# Altium PCB Tigershark 3D R2.PcbDoc (part 2 of 4)
Units mil, origin at the board's own origin, x right, y up, seen from the top; angles counter-clockwise.
Board outline 4100 x 4050 mil, 4 copper layers (Top Layer, Groun Plane, Power Plane, Bottom Layer), stack 61.73 mil thick; 363 components, 231 nets, 1162 pads, 834 vias.
Unrouted connection lines stored in the file: 9.
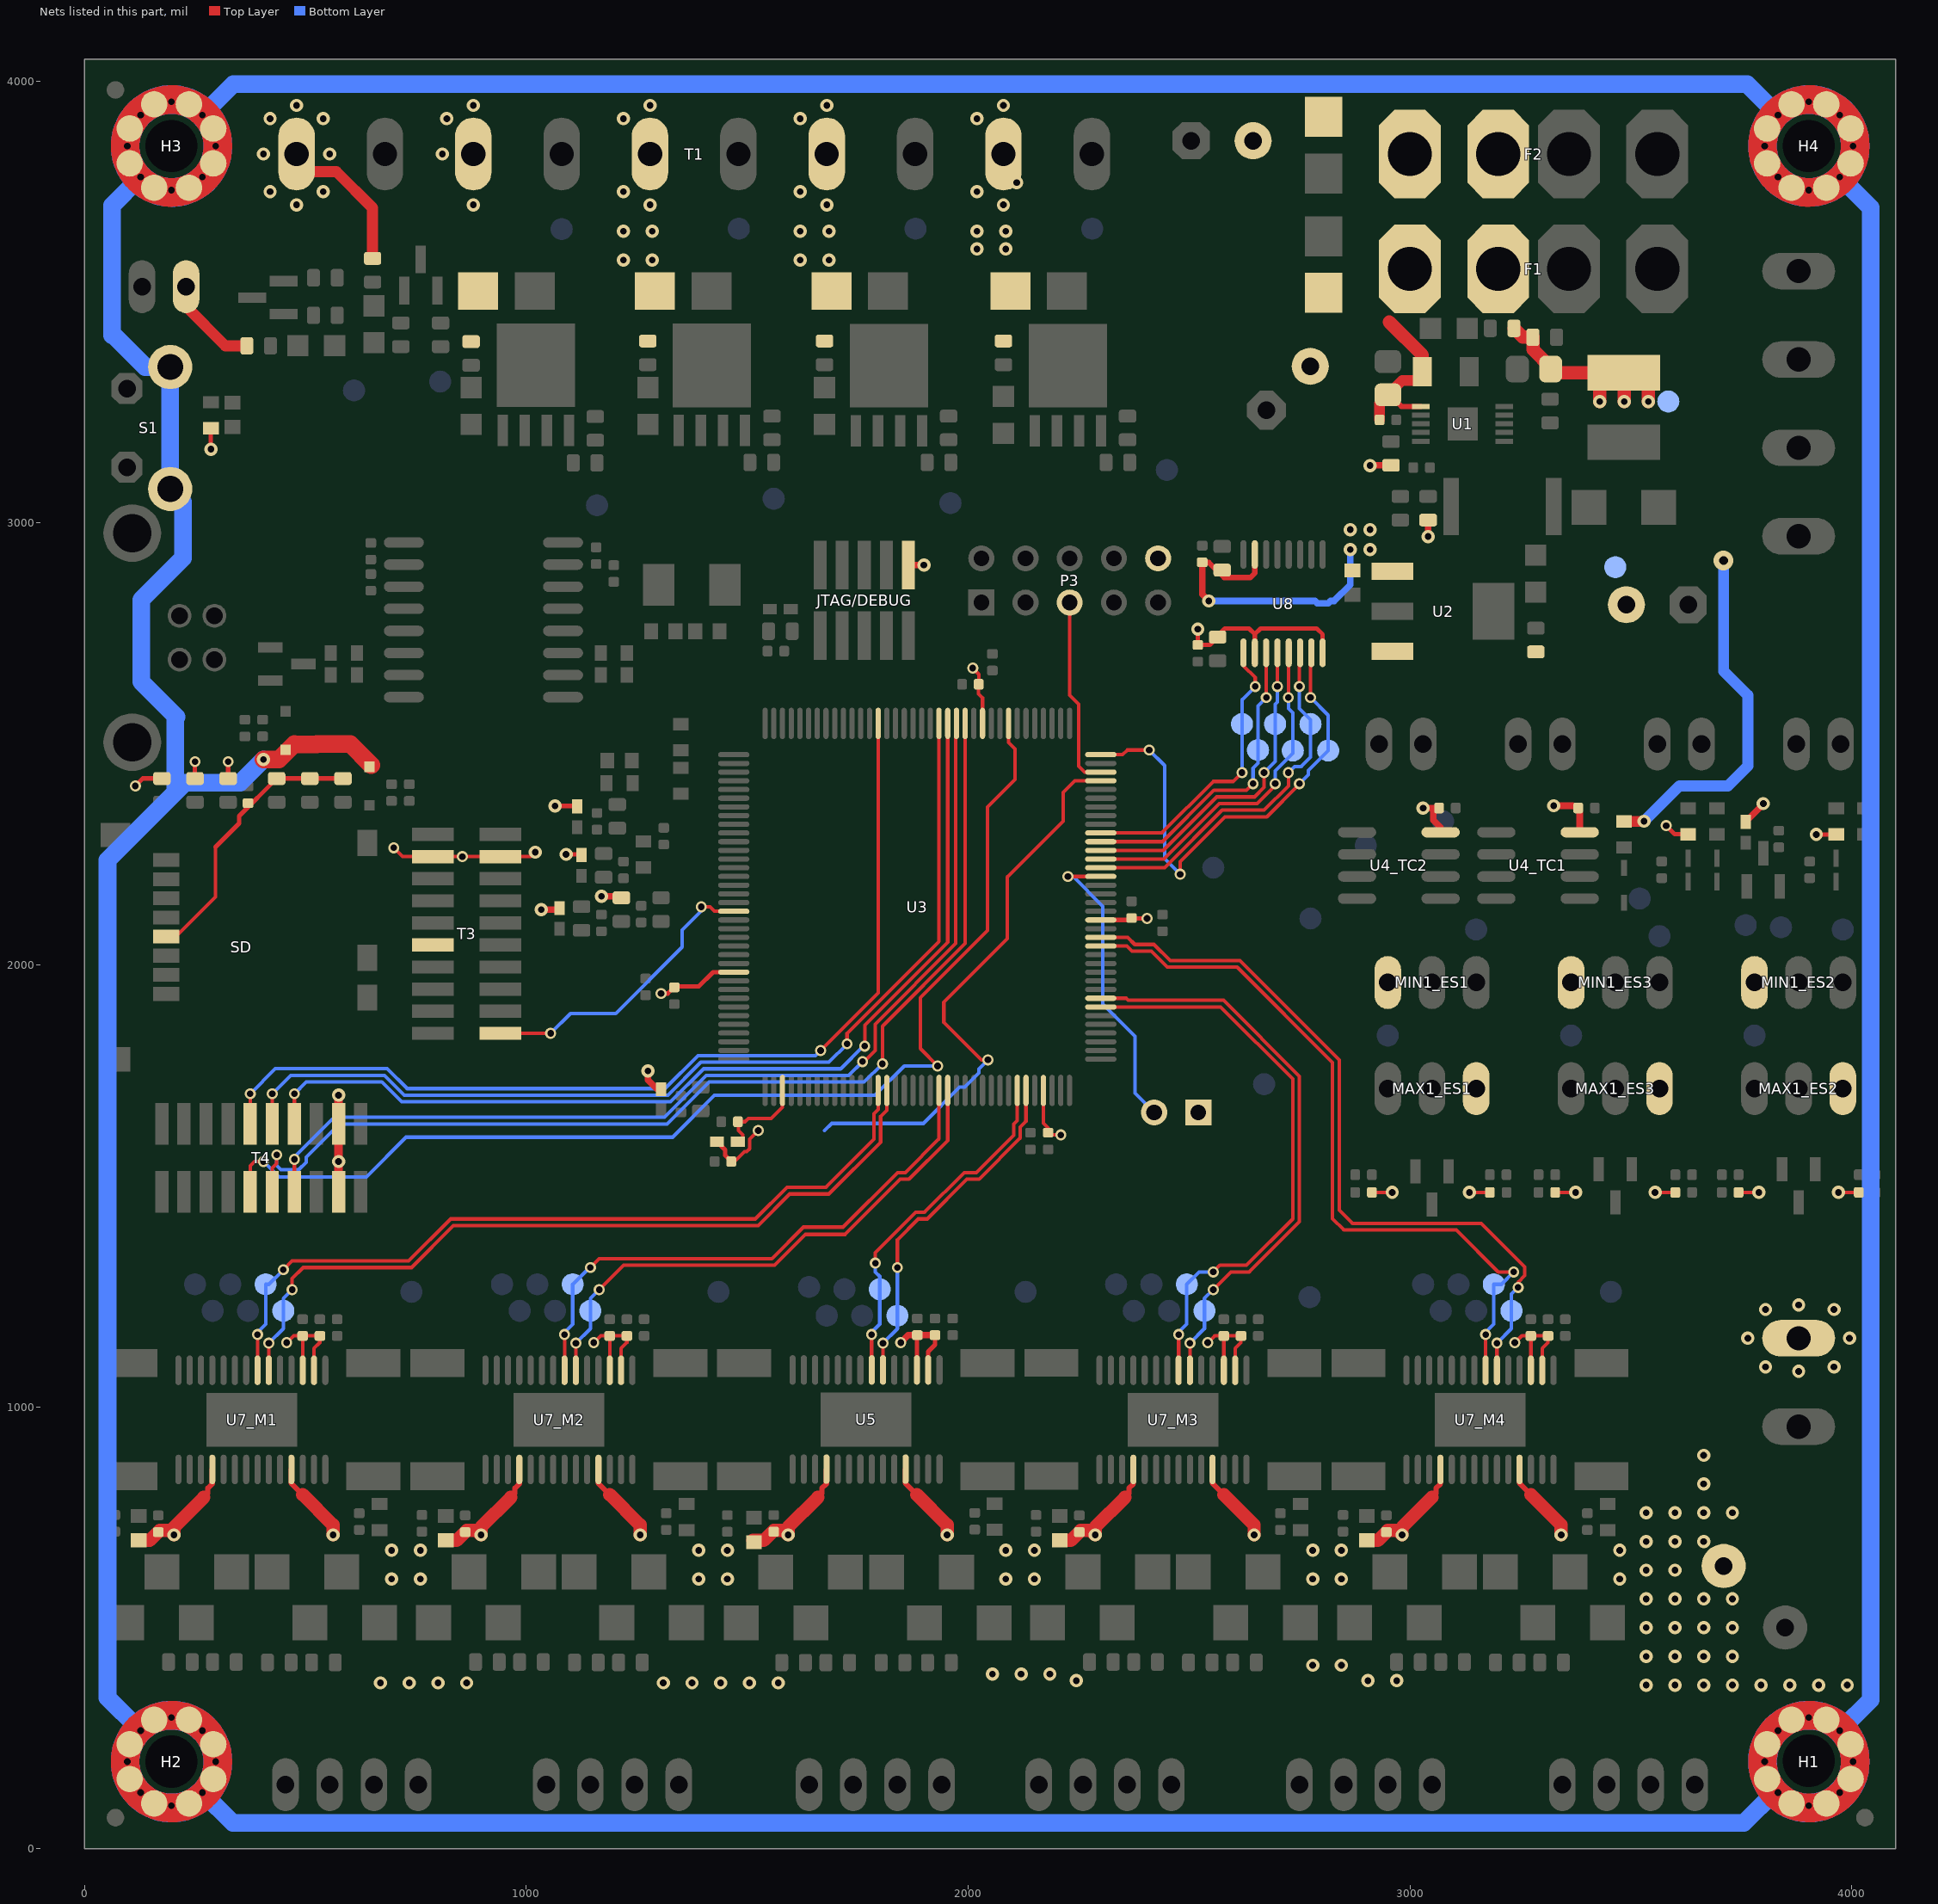
[diagram p4: the nets of this part, all layers, seen from the top]

## Footprints (in the part's own frame and the unit in brackets; to place one, negate y for a bottom-side part, rotate by r counter-clockwise, add the part's x,y. Pads: shape width x height; smd on the part's side, far side on the other; paste and mask are expansions set on the pad) (continued)
LQFP144_N [mm] "Thin QFP, 144-Leads, Body 20x20mm, Pitch 0.5mm, IPC Medium Density"
  oval 1.8x0.3 smd: 1(-10.55,8.75) 2(-10.55,8.25) 3(-10.55,7.75) 4(-10.55,7.25) 5(-10.55,6.75) 6(-10.55,6.25) 7(-10.55,5.75) 8(-10.55,5.25) 9(-10.55,4.75) 10(-10.55,4.25) 11(-10.55,3.75) 12(-10.55,3.25) 13(-10.55,2.75) 14(-10.55,2.25) 15(-10.55,1.75) 16(-10.55,1.25) 17(-10.55,0.75) 18(-10.55,0.25) 19(-10.55,-0.25) 20(-10.55,-0.75) 21(-10.55,-1.25) 22(-10.55,-1.75) 23(-10.55,-2.25) 24(-10.55,-2.75) 25(-10.55,-3.25) 26(-10.55,-3.75) 27(-10.55,-4.25) 28(-10.55,-4.75) 29(-10.55,-5.25) 30(-10.55,-5.75) 31(-10.55,-6.25) 32(-10.55,-6.75) 33(-10.55,-7.25) 34(-10.55,-7.75) 35(-10.55,-8.25) 36(-10.55,-8.75) 73(10.55,-8.75) 74(10.55,-8.25) 75(10.55,-7.75) 76(10.55,-7.25) 77(10.55,-6.75) 78(10.55,-6.25) 79(10.55,-5.75) 80(10.55,-5.25) 81(10.55,-4.75) 82(10.55,-4.25) 83(10.55,-3.75) 84(10.55,-3.25) 85(10.55,-2.75) 86(10.55,-2.25) 87(10.55,-1.75) 88(10.55,-1.25) 89(10.55,-0.75) 90(10.55,-0.25) 91(10.55,0.25) 92(10.55,0.75) 93(10.55,1.25) 94(10.55,1.75) 95(10.55,2.25) 96(10.55,2.75) 97(10.55,3.25) 98(10.55,3.75) 99(10.55,4.25) 100(10.55,4.75) 101(10.55,5.25) 102(10.55,5.75) 103(10.55,6.25) 104(10.55,6.75) 105(10.55,7.25) 106(10.55,7.75) 107(10.55,8.25) 108(10.55,8.75)
  oval 0.3x1.8 smd: 37(-8.75,-10.55) 38(-8.25,-10.55) 39(-7.75,-10.55) 40(-7.25,-10.55) 41(-6.75,-10.55) 42(-6.25,-10.55) 43(-5.75,-10.55) 44(-5.25,-10.55) 45(-4.75,-10.55) 46(-4.25,-10.55) 47(-3.75,-10.55) 48(-3.25,-10.55) 49(-2.75,-10.55) 50(-2.25,-10.55) 51(-1.75,-10.55) 52(-1.25,-10.55) 53(-0.75,-10.55) 54(-0.25,-10.55) 55(0.25,-10.55) 56(0.75,-10.55) 57(1.25,-10.55) 58(1.75,-10.55) 59(2.25,-10.55) 60(2.75,-10.55) 61(3.25,-10.55) 62(3.75,-10.55) 63(4.25,-10.55) 64(4.75,-10.55) 65(5.25,-10.55) 66(5.75,-10.55) 67(6.25,-10.55) 68(6.75,-10.55) 69(7.25,-10.55) 70(7.75,-10.55) 71(8.25,-10.55) 72(8.75,-10.55) 109(8.75,10.55) 110(8.25,10.55) 111(7.75,10.55) 112(7.25,10.55) 113(6.75,10.55) 114(6.25,10.55) 115(5.75,10.55) 116(5.25,10.55) 117(4.75,10.55) 118(4.25,10.55) 119(3.75,10.55) 120(3.25,10.55) 121(2.75,10.55) 122(2.25,10.55) 123(1.75,10.55) 124(1.25,10.55) 125(0.75,10.55) 126(0.25,10.55) 127(-0.25,10.55) 128(-0.75,10.55) 129(-1.25,10.55) 130(-1.75,10.55) 131(-2.25,10.55) 132(-2.75,10.55) 133(-3.25,10.55) 134(-3.75,10.55) 135(-4.25,10.55) 136(-4.75,10.55) 137(-5.25,10.55) 138(-5.75,10.55) 139(-6.25,10.55) 140(-6.75,10.55) 141(-7.25,10.55) 142(-7.75,10.55) 143(-8.25,10.55) 144(-8.75,10.55)
  silkscreen extent -10.67,-9.25 9.25,9.58, body extent -10,-10 10,10, height 1.6
MAXM-S8+4_N [mm] "SOIC, 8-Leads, Body 4.9x3.9mm, Pitch 1.27mm, IPC Medium Density"
  oval 2.2x0.6 smd: 1(-2.4,1.905) 2(-2.4,0.635) 3(-2.4,-0.635) 4(-2.4,-1.905) 5(2.4,-1.905) 6(2.4,-0.635) 7(2.4,0.635) 8(2.4,1.905)
  silkscreen extent -2.53,-2.5 0.9,2.88, body extent -2,-2.5 2,2.5, height 1.75
"MSTBV2 - duplicate" [mil]
  oval 82.5x165 hole 55: 1(-300,0) 2(-100,0)
  silkscreen extent -425,-150 25,180, body extent -425,-150 25,180, height 472
MSTBV4 [mil]
  oval 82.5x165 hole 55: 1(-300,0) 2(-100,0) 3(100,0) 4(300,0)
  silkscreen extent -425,-150 425,180, body extent -428,-153 428,183, height 472
MSTBV10 [mil]
  oval 82.5x165 hole 55: 1(-900,0) 2(-700,0) 3(-500,0) 4(-300,0) 5(-100,0) 6(100,0) 7(300,0) 8(500,0) 9(700,0) 10(900,0)
  silkscreen extent -1025,-150 1025,180, body extent -1028,-153 1025,183, height 472
OSHW_8X150_NOTEXT [mil]
  silkscreen extent 0,0 167,150, body extent 0,2 168,148
PN61729 [mil]
  round 54 hole 38: 1(50,186) 2(-49.21,186) 3(-49.21,107) 4(50,107)
  round 130.5 hole 87: 5(-236.22,0) 6(237,0)
  body extent -237,-405 238,226, height 406
PSMN7R0-60YS [mm] "TO, 5-Pads, Body 5.15x5.86mm (max), IPC Medium Density"
  rect 1.8x0.6 smd: 1(-2.6,1.905) 2(-2.6,0.635) 3(-2.6,-0.635) 4(-2.6,-1.905)
  rect 4.8x4.5 smd: 5(1.14,0)
  silkscreen extent -2.72,2.63 -2.48,2.88, body extent -1.85,-2.5 2.25,2.5, height 1.2
R0402 [mil]
  rrect40% 22x24 smd: 1(-18.9,0) 2(19,0)
  body extent -20,-10 20,10, height 14
R0603 [mm]
  rrect40% 0.74x1 smd: 1(-0.68,0) 2(0.68,0)
  body extent -0.8,-0.4 0.8,0.4, height 0.8
Resistor2512 [mm]
  rect 1.6x3.1 smd: 1(-3.25,0) 2(3.25,0)
  silkscreen extent -2.26,-1.3 2.26,1.3, body extent -3.24,-1.4 3.24,1.4, height 0.9
SK310A-TP [mm] "Molded Diode, 2-Leads, Body 4.31x2.69mm, IPC Medium Density"
  rect 2.3x2.15 smd: 1(-1.625,0) 2(1.625,0)
  silkscreen extent -2.3,-1.45 3.07,1.75, body extent -2.29,-1.42 2.28,1.42, height 2.95
SMA-SM [mil]
  rect 79x79 smd: A(79,0) C(-78.74,0)
  silkscreen extent -89,-49 89,50, body extent -105,-54 105,55, height 116
SOD323-R [mil]
  rect 24x24 smd: A(44,0) C(-43.31,0)
  body extent -50,-31 50,31, height 28
SOT95P230X110-3N [mm] "SOT23, 3-Leads, Body 2.90x2.30mm, Pitch 0.95mm, IPC Medium Density"
  rect 1.4x0.6 smd: 1(-0.95,0.95) 2(-0.95,-0.95) 3(0.95,0)
  silkscreen extent -1.07,-1.5 0.7,1.93, body extent -0.7,-1.5 0.7,1.5, height 1.1
SOT230P700X190-4N [mm] "SOT223, 4-Leads, Body 6.50x7.00mm (avg), Pitch 2.30mm, IPC Medium Density"
  rect 2.4x1 smd: 1(-2.9,2.3) 2(-2.9,0) 3(-2.9,-2.3)
  rect 2.4x3.25 smd: 4(2.9,0)
  silkscreen extent -3.02,-3.35 1.4,3.47, body extent -1.85,-3.35 1.85,3.35, height 1.9
SZMM3Z4V7T1G [mm] "Molded Diode, 2-Leads, Body 1.70x1.25mm, IPC Medium Density"
  rect 0.9x0.35 smd: 1(-1,0) 2(1,0)
  silkscreen extent -0.95,-0.7 1.4,0.7, body extent -0.9,-0.67 0.9,0.67, height 1
TP-2#1 [mil]
  round 50 smd far side: 1(0,0)
TP-2#2 [mil]
  round 50 smd: 1(0,0)
TSOP65P640X120-16N [mm] "TSOP, 16-Leads, Body 5.00x4.40mm, Pitch 0.65mm, IPC Medium Density"
  oval 1.65x0.35 smd: 1(-2.825,2.275) 2(-2.825,1.625) 3(-2.825,0.975) 4(-2.825,0.325) 5(-2.825,-0.325) 6(-2.825,-0.975) 7(-2.825,-1.625) 8(-2.825,-2.275) 9(2.825,-2.275) 10(2.825,-1.625) 11(2.825,-0.975) 12(2.825,-0.325) 13(2.825,0.325) 14(2.825,0.975) 15(2.825,1.625) 16(2.825,2.275)
  silkscreen extent -2.95,-2.55 1.6,3.12, body extent -2.25,-2.55 2.25,2.55, height 1.2
VSSOP10 [mm] "TSSOP, 10-Leads, Body 3.15x3.00mm, Pitch 0.50mm, Thermal Pad 2.05.2x1.50.2mm, IPC High Density"
  rect 1.02x0.3 smd mask+0.102: 1(-2.4,1) 2(-2.4,0.5) 3(-2.4,0) 4(-2.4,-0.5) 5(-2.4,-1) 6(2.4,-1) 7(2.4,-0.5) 8(2.4,0) 9(2.4,0.5) 10(2.4,1)
  rect 1.73x1.9 smd: 11(0,0)
  silkscreen extent -2.02,-1.7 0.65,1.82, body extent -1.55,-1.7 1.55,1.7, height 1.09
Wave_hole_3x7-singleSided#1 [mil]
  round 0 hole 118.11 unplated paste+0 mask-112: 0(0,1.85)
  round 0 hole 15 paste-20 mask-20: 1(-100,0) 1(-70,-70) 1(-70,70) 1(0,-100) 1(0,100) 1(70,-70) 1(70,70) 1(100,0)
  round 60 smd paste-5 mask+0: 1(-94.49,-39.37) 1(-94.49,39.37) 1(-39.37,-94.49) 1(-39.37,94.49) 1(39.37,-94.49) 1(39.37,94.49) 1(94.49,-39.37) 1(94.49,39.37)
  Top Layer circle w64.96: c0,0 r105
  Bottom Layer lines w64.96: -78.26,-70 ccw(c0,0) 105,0 ccw(c0,0) 74.25,74.25 ccw(c0,0) -78.26,-70
  body extent -105,-105 105,105
Wave_hole_3x7-singleSided#2 [mil]
  round 0 hole 118.11 unplated paste+0 mask-112: 0(0,0)
  round 0 hole 15 paste-20 mask-20: 1(-100,0) 1(-70,-70) 1(-70,70) 1(0,-100) 1(0,100) 1(70,-70) 1(70,70) 1(100,0)
  round 60 smd paste-5 mask+0: 1(-94.49,-39.37) 1(-94.49,39.37) 1(-39.37,-94.49) 1(-39.37,94.49) 1(39.37,-94.49) 1(39.37,94.49) 1(94.49,-39.37) 1(94.49,39.37)
  Top Layer circle w64.96: c0,0 r105
  Bottom Layer lines w64.96: -74.25,74.25 ccw(c0,0) 74.25,-74.25 ccw(c0,0) 105,0 ccw(c0,0) -74.25,74.25
  body extent -105,-105 105,105
XAL50xx-153 [mm] "Precision Wire Wound Inductor, 2-Leads, Body 5.28x5.48mm, IPC High Density"
  rect 2.05x4.2 smd: 1(-2,0) 2(2,0)
  silkscreen extent -2.75,-2.85 2.75,2.85, body extent -2.74,-2.84 2.74,2.84, height 4.25

## Part data
C1_ES1 C1_ES2 C1_ES3 C2_ES1 C2_ES2 C2_ES3 C24 C29 C34 C50 C71_M1 C71_M2 C71_M3 C71_M4: library part GRM155R60J474KE19D, "0.47uF 6.3v C0402 - GRM155R60J474KE19D"
C3_M1 C3_M2 C3_M3 C3_M4 C5_M1 C5_M2 C5_M3 C5_M4 C6_M1 C6_M2 C6_M3 C6_M4 C8_M1 C8_M2 C8_M3 C8_M4 C52 C62 C67 C72: library part CC0603ZRY5V6BB105, "CAP CER 0603 1uF 10V Y5V"
C4 C35 C43 C44 C66_M1 C66_M2 C66_M3 C66_M4 C73: library part "Cap Semi", "Capacitor (Semiconductor SIM Model)"
C7: library part UPW1H471MHD1TO, "CAP ALU 470uF 50V 20%"
C9: library part C1206C475K5PACTU, "CAP CER 1206 4.7uF 50V 10% X5R"
C10: library part GRM21BR71H105KA12L, "CAP CER 0805 1uF 50V 10% X7R"
C11 C40: library part C0603C104K5RACTU, "CAP CER 0603 100nF 50V 10% X7R"
C12_M1 C12_M2 C12_M3 C12_M4 C14_M1 C14_M2 C14_M3 C14_M4 C19 C23 C27 C31_TC1 C31_TC2 C33 C37 C38 C39 C41 C42 C45 C46 C47 C48 C51 C53 C54 C56 C57 C58 C59 C61 C69 C70 C75_M1 C75_M2 C75_M3 C75_M4: library part "100nF C0402 - GRM155R71C104KA88D", "Capacitor (Semiconductor SIM Model)"
C13 C17 C25 C28 C32 C36 C55 C60: library part C1608JB0J106K080AB, "CAP CER 10UF 6.3V 10% JB 0603"
C15 C16 C18: library part UVZ1H101MPD1TD, "CAP ALU 100uF 50V 20% 105C"
C20 C26 C30_TR1 C30_TR2 C64 C65: library part GRM155R71C104KA88D, "CAP CER 0.1UF (100nF) 16V 10% X7R 0402"
C21: library part C0805C106K8PACTU, "CAP CER 0805 10uF 10V 10% X5R"
C22: library part GRM155R60J105KE19D, "CAP CER 0402 1uF 6.3V 10% X5R"
C49 C68_M1 C68_M2 C68_M3 C68_M4: library part GRM155R71H103JA88D, "CAP CER 10000PF 50V X7R 0402"
C63: "Capacitor (Semiconductor SIM Model)"
D1: library part "D Zener", "Zener Diode"
D2: library part SK310A, "DIODE Schottky 3A SMA"
D3_TR1 D3_TR2 D5_TR1 D5_TR2: "High Conductance Fast Diode"
D4 D6 D12 D15 D17 D19: library part "D Schottky", "Schottky Diode"
D7 D9: "LED 0805 Red"
D8 D24: "DIODE TVS"
D10 D11 D13 D14 D16 D18: "LED 0805 Yellow"
D20_M1 D20_M2 D20_M3 D20_M4 D21_M1 D21_M2 D21_M3 D21_M4 D22_M1 D22_M2 D22_M3 D22_M4 D23_M1 D23_M2 D23_M3 D23_M4 D25 D26 D27 D28: "DIODE TVS 30V SMA"
DA1 DA2 DA3 DA4 DA5: "PESDxL2BT TVS Diode Array 2x"
F1 F2: library part "Fuse 1", "Fuse"
"Heat Power": library part con-phoenix-508_4
JTAG/DEBUG: library part "ARM Cortex JTAG-DEBUG Header"
L1: "IND 15uH 3.9A 20%"
M1_M1 M1_M2 M1_M3 M1_M4 M2 M3: library part "Molex 0705430003 Alt", "Molex 4 Pin Clip Connector"
MAX1_ES1 MAX1_ES2 MAX1_ES3 MIN1_ES1 MIN1_ES2 MIN1_ES3: library part "Molex Endstop"
"Motor Power": library part con-phoenix-508_2
P1: library part "Header 2", "Header, 2-Pin"
P3: "Header, 5-Pin, Dual row"
Q2 Q3 Q4 Q5 Q6 Q7: "N-Channel MOSFET"
R1 R14_TR1 R14_TR2 R19_TR1 R19_TR2 R21: "Resistor"
R2_ES1 R2_ES2 R2_ES3 R3_ES1 R3_ES2 R3_ES3: library part ERJ-2GEJ272X, "RES SMD 2.7K OHM 5% 1/10W 0402"
R4 R5 R15 R16 R18 R20 R22 R23 R31_M1 R31_M2 R31_M3 R31_M4 R32_M1 R32_M2 R32_M3 R32_M4 R33_M1 R33_M2 R33_M3 R33_M4 R37 R38 R39: library part Res3, "Resistor"
R6 R46 R55 R59 R63 R67 R71: library part RC0603FR-07100KL, "RES 100K OHM 1/10W 1% 0603 SMD"
R7 R10 R12: library part ERJ-3EKF1002V, "RES 0603 10K 100mW 1%"
R8 R11 R25 R26 R27 R28 R29 R34: library part ERJ-3EKF1001V, "RES 0603 1K 100mW 1%"
R9: library part RL2512FK-070R06L, "RES 0.06 OHM 1W 1% 2512 SMD"
R13 R47 R56 R60 R64 R68: library part RC0603JR-071K8L, "RES 0603 1.8K 100mW 5%"
R17: library part CRCW0402200KFKED, "RES 0402 22r 63mW 1%"
R24 R30_M1 R30_M2 R30_M3 R30_M4 R35 R36: library part ERJ2GEJ105X, "RES 0402 1M 100mW 5%"
R45 R52 R58 R62 R66 R70: library part CRCW060310R0FKEA, "RES 0603 10r 100mW 1%"
S1: library part 1571610-2_1, "SWTCH Momentary Washable"
SD: "microSD 502570-0893 Molex Part"
T1: library part "0395311010 - Molex 10 Position Connector", "MSBTV10 10 port connector same as RAMBo"
T3 T4: "HDR 20pos Vert Dual Row SMT"
TP1 TP2 TP3 TP4 TP5 TP6 TP7 TP8 TP9_ES1 TP9_ES2 TP9_ES3 TP10_ES1 TP10_ES2 TP10_ES3 TP11 TP12 TP13 TP14 TP15 TP16 TP17 TP18 TP19 TP20 TP21 TP32_M1 TP32_M2 TP32_M3 TP32_M4 TP33_M1 TP33_M2 TP33_M3 TP33_M4 TP35_M1 TP35_M2 TP35_M3 TP35_M4 TP36_M1 TP36_M2 TP36_M3 TP36_M4 TP37_M1 TP37_M2 TP37_M3 TP37_M4 TP38 TP39_M1 TP39_M2 TP39_M3 TP39_M4 TP40_M1 TP40_M2 TP40_M3 TP40_M4 TP41 TP42 TP43 TP44 TP45 TP46 TP47 TP48 TP49 TP50 TP51 TP52_TR1 TP52_TR2: library part Socket, "Socket"
U1: library part LM25011, "REG BUCK"
U4_TC1 U4_TC2: "Cold Junction Compensated Thermocouple to Digital Converter, 14 Bits Temperature Resolution, -40 to 125 degC, 8-Pin SOIC (S8+4), Pb-Free"
U5 U7_M1 U7_M2 U7_M3 U7_M4: "DRV8825 Ti Stepper Driver"
U6: "USB Opto Isolator"
U8: library part TXB0106, "TXB0106 - Bidriectional Opendrain/pushpull level shift"
X2: library part XTAL, "Crystal Oscillator"

## Via types
v1: diameter 30, hole 15, Top Layer to Bottom Layer, tented both sides, 496 vias
v2: diameter 25, hole 15, Top Layer to Bottom Layer, tented both sides, 175 vias
v3: diameter 25, hole 15, Top Layer to Bottom Layer, 76 vias
v4: diameter 19.68, hole 7.87, Top Layer to Bottom Layer, 75 vias
v5: diameter 30, hole 15, Top Layer to Bottom Layer, 9 vias
v6: diameter 45, hole 20, Top Layer to Bottom Layer, tented both sides, 3 vias

## Nets (pads, with @x,y where several pads share a name; then routed paths per layer and width w, separated by ;. In a path a pad name is that pad's centre, name@x,y a point inside that pad or via, vN(x,y) a via of type N, cw(c..) or ccw(c..) an arc to the next point about the centre after c; other vN are vias at no path point)
3.3VCC: C12_M1.2 C12_M2.2 C12_M3.2 C12_M4.2 C14_M1.2 C14_M2.2 C14_M3.2 C14_M4.2 C18.1 C25.2 C26.2 C29.2 C31_TC1.2 C31_TC2.2 C45.2 C46.2 C47.2 C48.2 C64.2 C69.2 C70.2 FB1.2 FB5.1 FB6.1 FB7.1 FB8.1 FB9.1 JTAG/DEBUG.1 MAX1_ES1.3 MAX1_ES2.3 MAX1_ES3.3 MIN1_ES1.3 MIN1_ES2.3 MIN1_ES3.3 P1.1 P3.10 R2_ES1.2 R2_ES2.2 R2_ES3.2 R3_ES1.2 R3_ES2.2 R3_ES3.2 R6.2 R11.2 R19_TR1.2 R19_TR2.2 R21.2 R25.2 R26.2 R27.2 R28.2 R29.2 R34.2 SD.4 T3.17 T3.18 T4.17 T4.18 TP3.1 U2.3 U3.11 U3.62 U3.105 U3.125 U4_TC1.4 U4_TC2.4 U5.16 U5.17 U7_M1.16 U7_M1.17 U7_M2.16 U7_M2.17 U7_M3.16 U7_M3.17 U7_M4.16 U7_M4.17 U8.2 U8.8 | length 4640.3
  Top Layer w8: SD.4@185,2063.94 206.51,2063.94 296.5,2153.93 296.5,2266.5 ; v3(457.48,1145) 473.48,1161 C12_M1.2@492.48,1161 ; U7_M1.17@493.9,1083.46 493.9,1159.58 C12_M1.2@492.48,1161 ; U7_M1.16@517.48,1085.47 519.49,1083.46 519.49,1132.01 532.48,1145 C14_M1.2@532.48,1160 ; C14_M1.2@532.48,1161 C12_M1.2@492.48,1161 ; v2(700,2265) 720,2245 T3.18@788.23,2245 v2(855,2245) T3.17@941.77,2245 1010,2245 v1(1020,2255) ; v3(1152.48,1145) 1168.48,1161 C12_M2.2@1187.48,1161 ; U7_M2.17@1188.9,1083.46 1188.9,1159.58 C12_M2.2@1187.48,1161 ; R6.2@1211.77,2155 R6.2@1215,2151.77 ; U7_M2.16@1212.48,1085.47 1214.49,1083.46 1214.49,1132.01 1227.48,1145 C14_M2.2@1227.48,1160 ; C14_M2.2@1227.48,1161 C12_M2.2@1187.48,1161 ; C64.2@1464,1555 1471.8,1555 1493.99,1577.19 1498.93,1577.19 1505.37,1583.63 1505.37,1605.37 v2(1525,1625) ; JTAG/DEBUG.1@1865,2904.92 JTAG/DEBUG.1@1865.08,2905 ; v2(2010.47,2671.46) 2024.47,2657.46 2024.47,2627.54 2023.56,2626.63 2023.56,2613.37 2032.64,2604.29 U3.11@2032.64,2546.46 ; U3.105@2170.43,1715.75 2170.43,1641.77 2181.1,1631.1 C45.2@2181.1,1620.1 2186.2,1615 v2(2210,1615) ; v3(2542.48,1145) 2558.48,1161 C12_M3.2@2577.48,1161 ; U7_M3.17@2578.9,1083.46 2578.9,1159.58 C12_M3.2@2577.48,1161 ; U7_M3.16@2602.48,1085.47 2604.49,1083.46 2604.49,1132.01 2617.48,1145 C14_M3.2@2617.48,1160 ; C14_M3.2@2617.48,1161 C12_M3.2@2577.48,1161 ; R3_ES1.2@2914,1485 v1(2960,1485) ; v1(3135,1485) R2_ES1.2@3181,1485 ; v3(3237.48,1145) 3253.48,1161 C12_M4.2@3272.48,1161 ; U7_M4.17@3273.9,1083.46 3273.9,1159.58 C12_M4.2@3272.48,1161 ; U7_M4.16@3297.48,1085.47 3299.49,1083.46 3299.49,1132.01 3312.48,1145 C14_M4.2@3312.48,1160 ; C14_M4.2@3312.48,1161 C12_M4.2@3272.48,1161 ; R3_ES3.2@3329,1485 v1(3375,1485) ; v1(3555,1485) R2_ES3.2@3601,1485 ; R3_ES2.2@3744,1485 v1(3790,1485) ; v1(3970,1485) R2_ES2.2@4016,1485
  Top Layer w10: v2(115,2405) 131.77,2421.77 R25.2@175,2421.77 ; R26.2@250,2421.77 v2(250,2460) ; v1(286,3167) R21.2@286,3214.47 ; 296.5,2266.5 350,2320 350,2336.78 R28.2@435,2421.77 R29.2@510,2421.77 R34.2@585,2421.77 ; R27.2@325,2421.77 v2(325,2460) ; v1(1065,2359.72) FB8.1@1105,2359.72 ; v1@1090,2244.72 v1(1090,2250) 1123.62,2250 FB7.1@1125,2248.62 ; v2(1305,1935) 1320,1935 1336.1,1951.1 1390.14,1951.1 1422.51,1983.46 U3.62@1469.65,1983.46 ; FB9.1@1431.38,1600 1450,1581.38 1450,1569 C64.2@1464,1555 ; U5.17@1884.16,1083.2 C69.2@1884.16,1161.16 ; U5.16@1909.75,1083.2 1909.75,1124.75 1925,1140 C70.2@1925,1162 ; U3.125@2300.35,2101.57 C46.2@2365.57,2101.57 ; C46.2@2371,2105 v2(2405,2105) ; v1(2520,2760) C26.2@2520,2724 2547.23,2724 C25.2@2565,2741.77 ; C25.2@2560,2740 2581.44,2761.44 2636,2761.44 2649.02,2748.42 ; U8.2@2649.02,2706.22 2649.02,2748.42 ; U8.8@2802.57,2706.22 2802.57,2747.87 2789,2761.44 2662.05,2761.44 2649.02,2748.42 ; 3367.95,2360 C31_TC1.2@3384.49,2343.46 ; v2(3580,2315) 3599.53,2295.47 R19_TR2.2@3630,2295.47 ; v1(3920,2295) 3964.53,2295 R19_TR1.2@3965,2295.47
  Top Layer w15: v1(1034,2124.72) FB5.1@1075,2124.72 ; v1(1170,2155) R6.2@1211.77,2155 ; v1(1275,1760) 1275,1739.72 FB6.1@1295,1719.72 ; v3(1847.51,1144.97) 1864.54,1162 C69.2@1885,1162 C70.2@1925,1162 ; JTAG/DEBUG.1@1865.08,2905 v1(1900,2905) ; C46.2@2370,2106 C46.2@2371,2105 ; v1@3025,2360 3025,2355 3052.95,2355 ; C31_TC2.2@3056,2355 3052.95,2355 ; U4_TC2.4@3069.49,2300 3069.49,2311.02 3052.95,2327.56 3052.95,2355 ; v1(3325.51,2360) 3367.95,2360 ; U4_TC1.4@3384.49,2300 C31_TC1.2@3384.49,2343.46 ; FB1.2@3760,2323.62 3800,2363.62 v1(3800,2365)
  Top Layer w20: T4.17@575,1486.46 v1(575,1555) T4.18@575,1640 v1(575,1705)
  other v1: 3030,2355
+5VCC: C4.2 C11.1 C17.2 C20.2 C21.1 L1.2 R7.2 R8.2 R10.1 TP1.1 U2.1 U8.15 | length 1265.4
  Top Layer w12: C20.2@2530,2911 2544.88,2911 2579.44,2876.44 2639,2876.44 2649.02,2886.46 U8.15@2649.02,2928.66
  Top Layer w15: C20.2@2530,2911 2530,2838.44 v1(2545,2823.44) ; v1@2909.31,3130.43 2957.09,3130.43 R7.2@2957.32,3130.65 ; v1(3041.31,2969.43) R10.1@3041.31,3006.66
  Top Layer w30: R8.2@3235.54,3440.43 3255.54,3420.43 C11.1@3278.54,3420.43 3278.54,3392.69 3318.72,3352.52 C21.1@3318.72,3348.43 ; C21.1@3326.98,3340.17 L1.2@3484.31,3340.17 ; v1(3430,3275) L1.2@3430,3335.17 ; v1(3485,3275) L1.2@3485,3339.48 ; v1(3540,3275) L1.2@3540,3340
  Bottom Layer w15: v1(2545,2823.44) 2785.28,2823.44 2790.78,2817.94 2815.22,2817.94 2820.72,2823.44 2828.44,2823.44 2865,2860 v1(2865,2940)
  other v1: 2910,2940 2865,2985 2910,2985 2910,3130
+12VCC1: "Motor Power.1" C7.1 C35.1 C66_M1.1 C66_M2.1 C66_M3.1 C66_M4.1 R30_M1.2 R30_M2.2 R30_M3.2 R30_M4.2 R36.2 U5.4 U5.11 U7_M1.4 U7_M1.11 U7_M2.4 U7_M2.11 U7_M3.4 U7_M3.11 U7_M4.4 U7_M4.11 | length 2331.6
  Top Layer w12: 270,795 279,804 279,815.51 289.17,825.68 U7_M1.4@289.17,858.06 U7_M1.4@289.17,859.06 ; U7_M1.11@468.31,859.06 468.31,826.69 493.74,801.26 ; 965,795 974,804 974,815.51 984.17,825.68 U7_M2.4@984.17,858.06 U7_M2.4@984.17,859.06 ; U7_M2.11@1163.31,859.06 1163.31,826.69 1188.74,801.26 ; 1660.03,794.97 1669.03,803.97 1669.03,815.48 1679.2,825.65 U5.4@1679.2,858.02 ; U5.11@1858.34,859.02 1858.34,826.66 1883.77,801.23 ; 2355,795 2364,804 2364,815.51 2374.17,825.68 U7_M3.4@2374.17,858.06 U7_M3.4@2374.17,859.06 ; U7_M3.11@2553.31,859.06 2553.31,826.69 2578.74,801.26 ; 3050,795 3059,804 3059,815.51 3069.17,825.68 U7_M4.4@3069.17,858.06 U7_M4.4@3069.17,859.06 ; U7_M4.11@3248.31,859.06 3248.31,826.69 3273.74,801.26
  Top Layer w30: C66_M1.1@122.48,697.44 147.44,697.44 170,720 192.48,720 v1(202.48,710) 202.48,727.48 270,795 ; 493.74,801.26 562.48,732.52 v1(562.48,710) ; C66_M2.1@817.48,697.44 842.44,697.44 865,720 887.48,720 v1(897.48,710) 897.48,727.48 965,795 ; 1188.74,801.26 1257.48,732.52 v1(1257.48,710) ; C35.1@1512.51,697.41 1537.47,697.41 1560.03,719.97 1582.51,719.97 v1(1592.51,709.97) 1592.51,727.45 1660.03,794.97 ; 1883.77,801.23 1952.51,732.49 v1(1952.51,709.97) ; C66_M3.1@2207.48,697.44 2232.44,697.44 2255,720 2277.48,720 v1(2287.48,710) 2287.48,727.48 2355,795 ; 2578.74,801.26 2647.48,732.52 v1(2647.48,710) ; C66_M4.1@2902.48,697.44 2927.44,697.44 2950,720 2972.48,720 v1(2982.48,710) 2982.48,727.48 3050,795 ; 3273.74,801.26 3342.48,732.52 v1(3342.48,710)
  other v1: 3535,370 3600,370 3665,370 3730,370 3795,370 3860,370 3925,370 3990,370 670,375 735,375 800,375 865,375 1310,375 1375,375 1440,375 1505,375 1570,375 2245,380 2905,380 2970,380 2055,395 2120,395 2185,395 2780,415 2845,415 3535,435 3600,435 3665,435 3730,435 3535,500 3600,500 3665,500 3730,500 3535,565 3600,565 3665,565 3730,565 695,610 760,610 1390,610 1455,610 2085.03,609.97 2150.03,609.97 2780,610 2845,610 3475,610 3535,630 3600,630 695,675 760,675 1390,675 1455,675 2085.03,674.97 2150.03,674.97 2780,675 2845,675 3475,675 3535,695 3600,695 3665,695 3535,760 3600,760 3665,760 3730,760 3665,825 3665,890 3880,1080 3805,1090 3960,1090 3765,1155 3995,1155 3805,1220 3960,1220 3880,1230
+12VCC2: C9.1 C10.1 C16.1 D6.2 D12.2 D15.2 D17.2 F1.2 FAN-1.1 R1.2 R13.2 R17.2 R47.2 R56.2 R60.2 R64.2 T1.1 T1.3 T1.5 T1.7 U1.1 | length 1704.5
  Top Layer w12: C10.1@2971.68,3272.95 2980.83,3263.8 U1.1@3024.83,3263.8
  Top Layer w24: R17.2@2931.31,3233.43 C10.1@2931.31,3271.02 ; C10.1@2950.31,3290.02 2982.72,3322.43 C9.1@3008.15,3322.43
  Top Layer w25: FAN-1.1@230,3535 230,3490 319,3401 R13.2@367.23,3401 ; T1.1@480,3810 495,3795 570,3795 652,3713 R47.2@652,3598.77 ; R1.2@3485,2324.53 3529.53,2324.53 v1(3530,2325)
  Top Layer w30: 2953.21,3454.87 3028.17,3379.91 C9.1@3028.17,3342.43
  Bottom Layer w25: F1.2@3200,3545 F1.2@3200,3575 ; v1(3530,2325) 3610,2405 3720,2405 3765,2450 3765,2610 3710,2665 v6(3710,2915)
  other v1: 1220,3595 1285,3595 1620,3595 1685,3595 1220,3660 1285,3660 1620,3660 1685,3660 480,3720 880,3720 1280,3720 1680,3720 420,3750 540,3750 1220,3750 1620,3750 405,3835 555,3835 810,3835 420,3915 540,3915 820,3915 1220,3915 1620,3915 480,3945 880,3945 1280,3945 1680,3945
+12VCC3: C15.1 D4.2 D19.2 F2.2 R68.2 T1.9
  other v1: 2020,3620 2085,3620 2020,3660 2085,3660 2080,3720 2020,3750 2110,3770 2020,3915 2080,3945
AN_EXP0: T4.13 U3.14 | length 2311.5
  Top Layer w8: T4.13@475,1486.46 v2(475,1560) ; v2(1761.1,1781.1) 1764.34,1781.1 1789.6,1806.37 1789.6,1865.82 1972.1,2048.32 1972.1,2544.98 U3.14@1973.58,2546.46
  Bottom Layer w8: v2@470,1560 560,1650 577.57,1650 582.57,1655 1312.72,1655 1407.43,1749.71 1729.71,1749.71 v2(1761.1,1781.1)
AN_EXP1: T4.14 U3.15 | length 2249.4
  Top Layer w8: T4.14@475,1640 v2(475,1708.23) ; v2(1766.1,1816.1) 1766.1,1863.53 1953.9,2051.32 U3.15@1953.9,2546.46
  Bottom Layer w8: v2(475,1708.23) 501.77,1735 672.72,1735 717.72,1690 1326.51,1690 1401.22,1764.71 1711.48,1764.71 1762.87,1816.1 v2(1766.1,1816.1)
AVREF: C65.2 FB9.2 U3.75 | length 189
  Top Layer w8: C65.2@1479,1645 1495,1645 1502.31,1652.31 1554.56,1652.31 1579.88,1677.64 U3.75@1579.88,1715.75 ; C65.2@1480,1636 1480,1625 1490,1615 FB9.2@1490,1603.62
BED_PWM: TP38.1 U3.144 U8.7 | length 1137.1
  Top Layer w8: U3.144@2300.35,2475.59 2349.49,2475.59 2360,2486.1 v2(2410,2486.1) ; v2(2480,2205) 2480,2233.79 2581.21,2335 2676.21,2335 2750,2408.79 v2(2750,2410) ; v2(2775,2605) 2775,2704.24 U8.7@2776.98,2706.22
  Bottom Layer w8: v2(2410,2486.1) 2445,2451.1 2445,2240 v2(2480,2205) ; v2(2750,2410) 2770,2430 2770,2440 TP38.1@2815,2485 2815,2565 v2(2775,2605)
DIR1: TP39_M1.1 U3.87 U7_M1.20 | length 1811
  Top Layer w8: U7_M1.20@417.13,1083.46 v3(417.13,1143.9) ; v3(470,1265) 470,1290 495,1315 740,1315 835,1410 1524.68,1410 1596.18,1481.5 1684.44,1481.5 1802.05,1599.11 1802.05,1657.05 1816.1,1671.1 U3.87@1816.1,1715.75
  Bottom Layer w8: v3(417.13,1143.9) 449.97,1176.74 TP39_M1.1@449.97,1217.03 449.97,1244.97 v3(470,1265)
DIR2: TP39_M2.1 U3.94 U7_M2.20 | length 1245.3
  Top Layer w8: U7_M2.20@1112.13,1083.46 v3(1112.13,1143.9) ; v3(1165,1265) 1220,1320 1561.96,1320 1631.96,1390 1721.36,1390 1846.36,1515 1866.21,1515 1953.9,1602.68 U3.94@1953.9,1715.75
  Bottom Layer w8: v3(1112.13,1143.9) 1144.97,1176.74 TP39_M2.1@1144.97,1217.03 1144.97,1244.97 v3(1165,1265)
DIR3: TP39_M3.1 U3.116 U7_M3.20 | length 1313.9
  Top Layer w8: U3.116@2300.35,1924.41 2357.8,1924.41 2362.48,1919.72 2578,1919.72 2750,1747.72 2750,1418.79 2636.21,1305 2595,1305 v3(2555,1265) ; U7_M3.20@2502.13,1083.46 v3(2502.13,1143.9)
  Bottom Layer w8: v3(2502.13,1143.9) 2534.97,1176.74 TP39_M3.1@2534.97,1217.03 2534.97,1244.97 v3(2555,1265)
DIR4: TP39_M4.1 U3.123 U7_M4.20 | length 1726.9
  Top Layer w8: U3.123@2300.35,2062.2 2361.21,2062.2 2377.32,2046.1 2420.94,2046.1 2457.32,2009.72 2615.28,2009.72 2840,1785 2840,1445 2870,1415 3161.77,1415 3260,1316.77 3260,1296.83 3244.97,1281.8 v3(3244.97,1270.03) ; U7_M4.20@3197.13,1083.46 v3(3197.13,1143.9)
  Bottom Layer w8: v3(3197.13,1143.9) 3229.97,1176.74 TP39_M4.1@3229.97,1217.03 3229.97,1255.03 v3(3244.97,1270.03)
DIR_EXP1: T4.11 U3.13 | length 2440.4
  Top Layer w8: T4.11@425,1486.46 425,1540 435,1550 v2(435,1570) ; v2(1806.1,1776.1) 1806.1,1861.1 1993.27,2048.27 U3.13@1993.27,2546.46
  Bottom Layer w8: v2(435,1570) 435,1546.21 444.71,1536.5 484.73,1536.5 501.5,1553.27 501.5,1564.73 571.77,1635 583.79,1635 588.79,1640 1318.93,1640 1413.65,1734.71 1764.71,1734.71 v2(1806.1,1776.1)
DIR_EXP2: T4.12 U3.16 | length 2264.9
  Top Layer w8: T4.12@425,1640 v2(425,1708.23) ; v2(1726.1,1821.1) 1726.1,1844.74 1934.21,2052.85 U3.16@1934.21,2546.46
  Bottom Layer w8: v2(425,1708.23) 466.77,1750 678.93,1750 723.93,1705 1320.29,1705 1395.01,1779.71 1684.71,1779.71 v2(1726.1,1821.1)
DIR_Z: TP20.1 U3.103 U5.20 | length 794.3
  Top Layer w8: U5.20@1807.16,1083.43 v3(1807.16,1143.87) ; v3(1840,1315) 1840,1377.57 1887.43,1425 1907.43,1425 1997.43,1515 2025,1515 2118.1,1608.1 2118.1,1633.08 2126.38,1641.36 ; 2126.38,1641.38 2131.06,1646.06 U3.103@2131.06,1715.75
  Bottom Layer w8: v3(1807.16,1143.87) 1840,1176.71 v3(1840,1315)
EN1: TP32_M1.1 U3.86 U7_M1.21 | length 1828.6
  Top Layer w8: U7_M1.21@391.54,1083.46 v3(391.54,1163.31) ; v3(450,1310) 470,1330 733.79,1330 828.79,1425 1518.47,1425 1589.97,1496.5 1678.23,1496.5 1787.05,1605.32 1787.05,1663.26 1796.42,1672.63 U3.86@1796.42,1715.75
  Bottom Layer w8: v3(391.54,1163.31) 391.54,1168.6 409.97,1187.03 TP32_M1.1@409.97,1277.03 417.03,1277.03 v3(450,1310)
EN2: TP32_M2.1 U3.93 U7_M2.21 | length 1276.4
  Top Layer w8: U7_M2.21@1086.54,1083.46 v3(1086.54,1163.31) ; v3(1145,1315) 1165,1335 1555.75,1335 1627.25,1406.5 1716.65,1406.5 1840.15,1530 1858.09,1530 1934.21,1606.13 U3.93@1934.21,1715.75
  Bottom Layer w8: v3(1086.54,1163.31) 1086.54,1168.6 1104.97,1187.03 TP32_M2.1@1104.97,1277.03 1142.94,1315 v3(1145,1315)
EN3: TP32_M3.1 U3.115 U7_M3.21 | length 1321.3
  Top Layer w8: U3.115@2300.35,1904.72 2571.78,1904.72 2735,1741.51 2735,1425 2630,1320 2570,1320 v3(2555,1305) ; U7_M3.21@2476.54,1083.46 v3(2476.54,1163.31)
  Bottom Layer w8: v3(2476.54,1163.31) 2476.54,1168.6 2494.97,1187.03 TP32_M3.1@2494.97,1277.03 2522.94,1305 v3(2555,1305)
EN4: TP32_M4.1 U3.122 U7_M4.21 | length 1704.8
  Top Layer w8: U3.122@2300.35,2042.52 2359.69,2042.52 2371.1,2031.1 2414.72,2031.1 2451.1,1994.72 2609.06,1994.72 2825,1778.79 2825,1425.55 2850.55,1400 3105,1400 3199.97,1305.03 v3(3234.97,1305.03) ; U7_M4.21@3171.54,1083.46 v3(3171.54,1163.31)
  Bottom Layer w8: v3(3171.54,1163.31) 3171.54,1168.6 3189.97,1187.03 TP32_M4.1@3189.97,1277.03 3206.97,1277.03 v3(3234.97,1305.03)
EN_EXP1: T4.9 U3.8 | length 2630.7
  Top Layer w8: T4.9@375,1486.46 375,1545 385,1555 v2(405,1555) ; v2(1931.1,1771.1) 1891.71,1810.5 1891.71,1925.5 2043.86,2077.64 2043.86,2357.04 2106,2419.18 2106,2488.78 2091.69,2503.09 U3.8@2091.69,2546.46
  Bottom Layer w8: v2@400,1560 v2(405,1555) 440,1520 637.8,1520 727.8,1610 1331.36,1610 1426.07,1704.71 1789.16,1704.71 1855.55,1771.1 v2(1931.1,1771.1)
EN_EXP2: T4.10 U3.23 | length 2231.5
  Top Layer w8: T4.10@375,1640 v2(375,1708.23) ; v2(1666.1,1806.1) 1796.42,1936.42 U3.23@1796.42,2546.46
  Bottom Layer w8: v2(375,1708.23) 431.77,1765 685.15,1765 730.15,1720 1314.08,1720 1388.79,1794.71 1654.71,1794.71 v2(1666.1,1806.1)
EN_Z: TP16.1 U3.102 U5.21 | length 805.1
  Top Layer w8: U5.21@1781.57,1083.43 v3(1781.57,1163.28) ; v3(1790,1325) 1790,1348.79 1881.21,1440 1901.21,1440 1991.21,1530 2018.79,1530 2103.1,1614.32 2103.1,1639.29 2111.38,1647.57 U3.102@2111.38,1715.75
  Bottom Layer w8: v3(1781.57,1163.28) 1781.57,1168.57 1800,1187 1800,1295 1790,1305 v3(1790,1325)
ERASE: P1.2 U3.130 | length 695.4
  Top Layer w8: v2(2226.1,2200) U3.130@2300.35,2200
  Bottom Layer w8: v2(2226.1,2200) 2237.2,2200 2305,2132.2 2305,1911.1 2377.5,1838.6 2377.5,1709.7 P1.2@2421.1,1666.1
EXP_CS: P3.5 U3.142 | length 434.3
  Top Layer w8: P3.5@2230,2820 2230,2610 2250,2590 2250,2450 2263.78,2436.22 U3.142@2300.35,2436.22
EXP_CS2: T3.1 U3.55 | length 678.2
  Top Layer w8: T3.1@941.77,1845 v2(1055,1845) ; v2(1396.1,2131.1) 1416.1,2131.1 1425.95,2121.26 U3.55@1469.65,2121.26
  Bottom Layer w8: v2(1055,1845) 1100,1890 1202.37,1890 1352.6,2040.23 1352.6,2078.76 1396.1,2122.26 v2(1396.1,2131.1)
EXP_SYNC: T3.10 U3.141 | length 1305.2
  Top Layer w8: v2(2045,1785) 2030,1785 1945,1870 1945,1915.15 2088.86,2059 2088.86,2198.86 2215,2325 2215,2390 2241.54,2416.54 U3.141@2300.35,2416.54
  Bottom Layer w8: 1675,1625 1691.1,1641.1 1898.53,1641.1 1980.61,1723.18 1992.63,1723.18 2024.6,1755.16 2024.6,1764.6 v2(2045,1785)
FET_PWM1: TP43.1 U3.135 U8.1 | length 670.9
  Top Layer w8: U3.135@2300.35,2298.43 2438.57,2298.43 2555.15,2415 2600,2415 v2(2620,2435) ; U8.1@2623.43,2706.22 2623.43,2676.57 2650,2650 v2(2650,2630)
  Bottom Layer w8: v2(2620,2435) TP43.1@2620,2545 2620,2600 v2(2650,2630)
FET_PWM2: TP44.1 U3.134 U8.3 | length 707.8
  Top Layer w8: U3.134@2300.35,2278.74 2440.1,2278.74 2556.36,2395 2630,2395 v2(2645,2410) ; U8.3@2674.61,2706.22 2674.61,2605.39 v2(2675,2605)
  Bottom Layer w8: v2(2645,2410) 2645,2445 2656.1,2456.1 TP44.1@2656.1,2486.1 2656.1,2586.1 v2(2675,2605)
FET_PWM3: TP45.1 U3.133 U8.4 | length 745.7
  Top Layer w8: U3.133@2300.35,2259.06 2441.63,2259.06 2562.57,2380 2648.23,2380 2670,2401.77 v2(2670,2435) ; v2(2700,2630) 2700,2706.02 U8.4@2700.2,2706.22
  Bottom Layer w8: v2(2670,2435) 2695,2460 TP45.1@2695,2545 2695,2590 2700,2595 v2(2700,2630)
FET_PWM4: TP46.1 U3.132 U8.5 | length 785.2
  Top Layer w8: U3.132@2300.35,2239.37 2443.16,2239.37 2568.79,2365 2654.45,2365 2695,2405.55 v2(2695,2410) ; v2(2725,2605) 2725,2705.42 U8.5@2725.8,2706.22
  Bottom Layer w8: v2(2695,2410) 2695,2438.79 2735,2478.79 TP46.1@2735,2485 2735,2570 2725,2580 v2(2725,2605)
FET_PWM5: TP47.1 U3.131 U8.6 | length 843.1
  Top Layer w8: U3.131@2300.35,2219.68 2444.68,2219.68 2575,2350 2670,2350 2725,2405 v2(2725,2435) ; v2(2750,2630) 2750,2704.83 U8.6@2751.39,2706.22
  Bottom Layer w8: v2(2725,2435) 2739,2449 2754,2449 2775,2470 TP47.1@2775,2545 2775,2555 2750,2580 v2(2750,2630)
FGND: D8.C D24.C H1.1 H2.1 H3.1 H4.1 S1.3 S1.4 | length 15133.2
  Top Layer w40: v1(405,2465) 440,2465 475,2500 475,2498.79 525.4,2498.79 526.11,2499.5 601.36,2499.5 D24.C@648.78,2452.08
  Bottom Layer w40: 122.6,271.1 52,341.7 52,2237 227.21,2412.21 352.21,2412.21 v1(405,2465) ; 122.6,3778.9 62,3718.3 62,3425 65.68,3425 137.68,3353 S1.3@194,3353 S1.4@194,3077 223,3048 223,2920.79 128,2825.79 128,2640.79 208,2560.79 205,2557.79 205,2390 ; H3.1@266.85,3923.15 336.7,3993 3763.3,3993 3828.9,3927.4 ; 271.1,122.6 335.7,58 3756.04,58 3824.89,126.85 ; 3977.4,271.1 4043,336.7 4043,3713.3 3977.4,3778.9
  Bottom Layer w50: 122.6,271.1 H2.1@126.85,266.85 ; 122.6,3778.9 H3.1@126.85,3783.15 ; 3824.89,126.85 H1.1@3833.15,126.85 ; 3828.9,3927.4 H4.1@3833.15,3923.15 ; H1.1@3973.15,266.85 3977.4,271.1